# Altium PCB PCB1.PcbDoc (part 1 of 4) (continued)
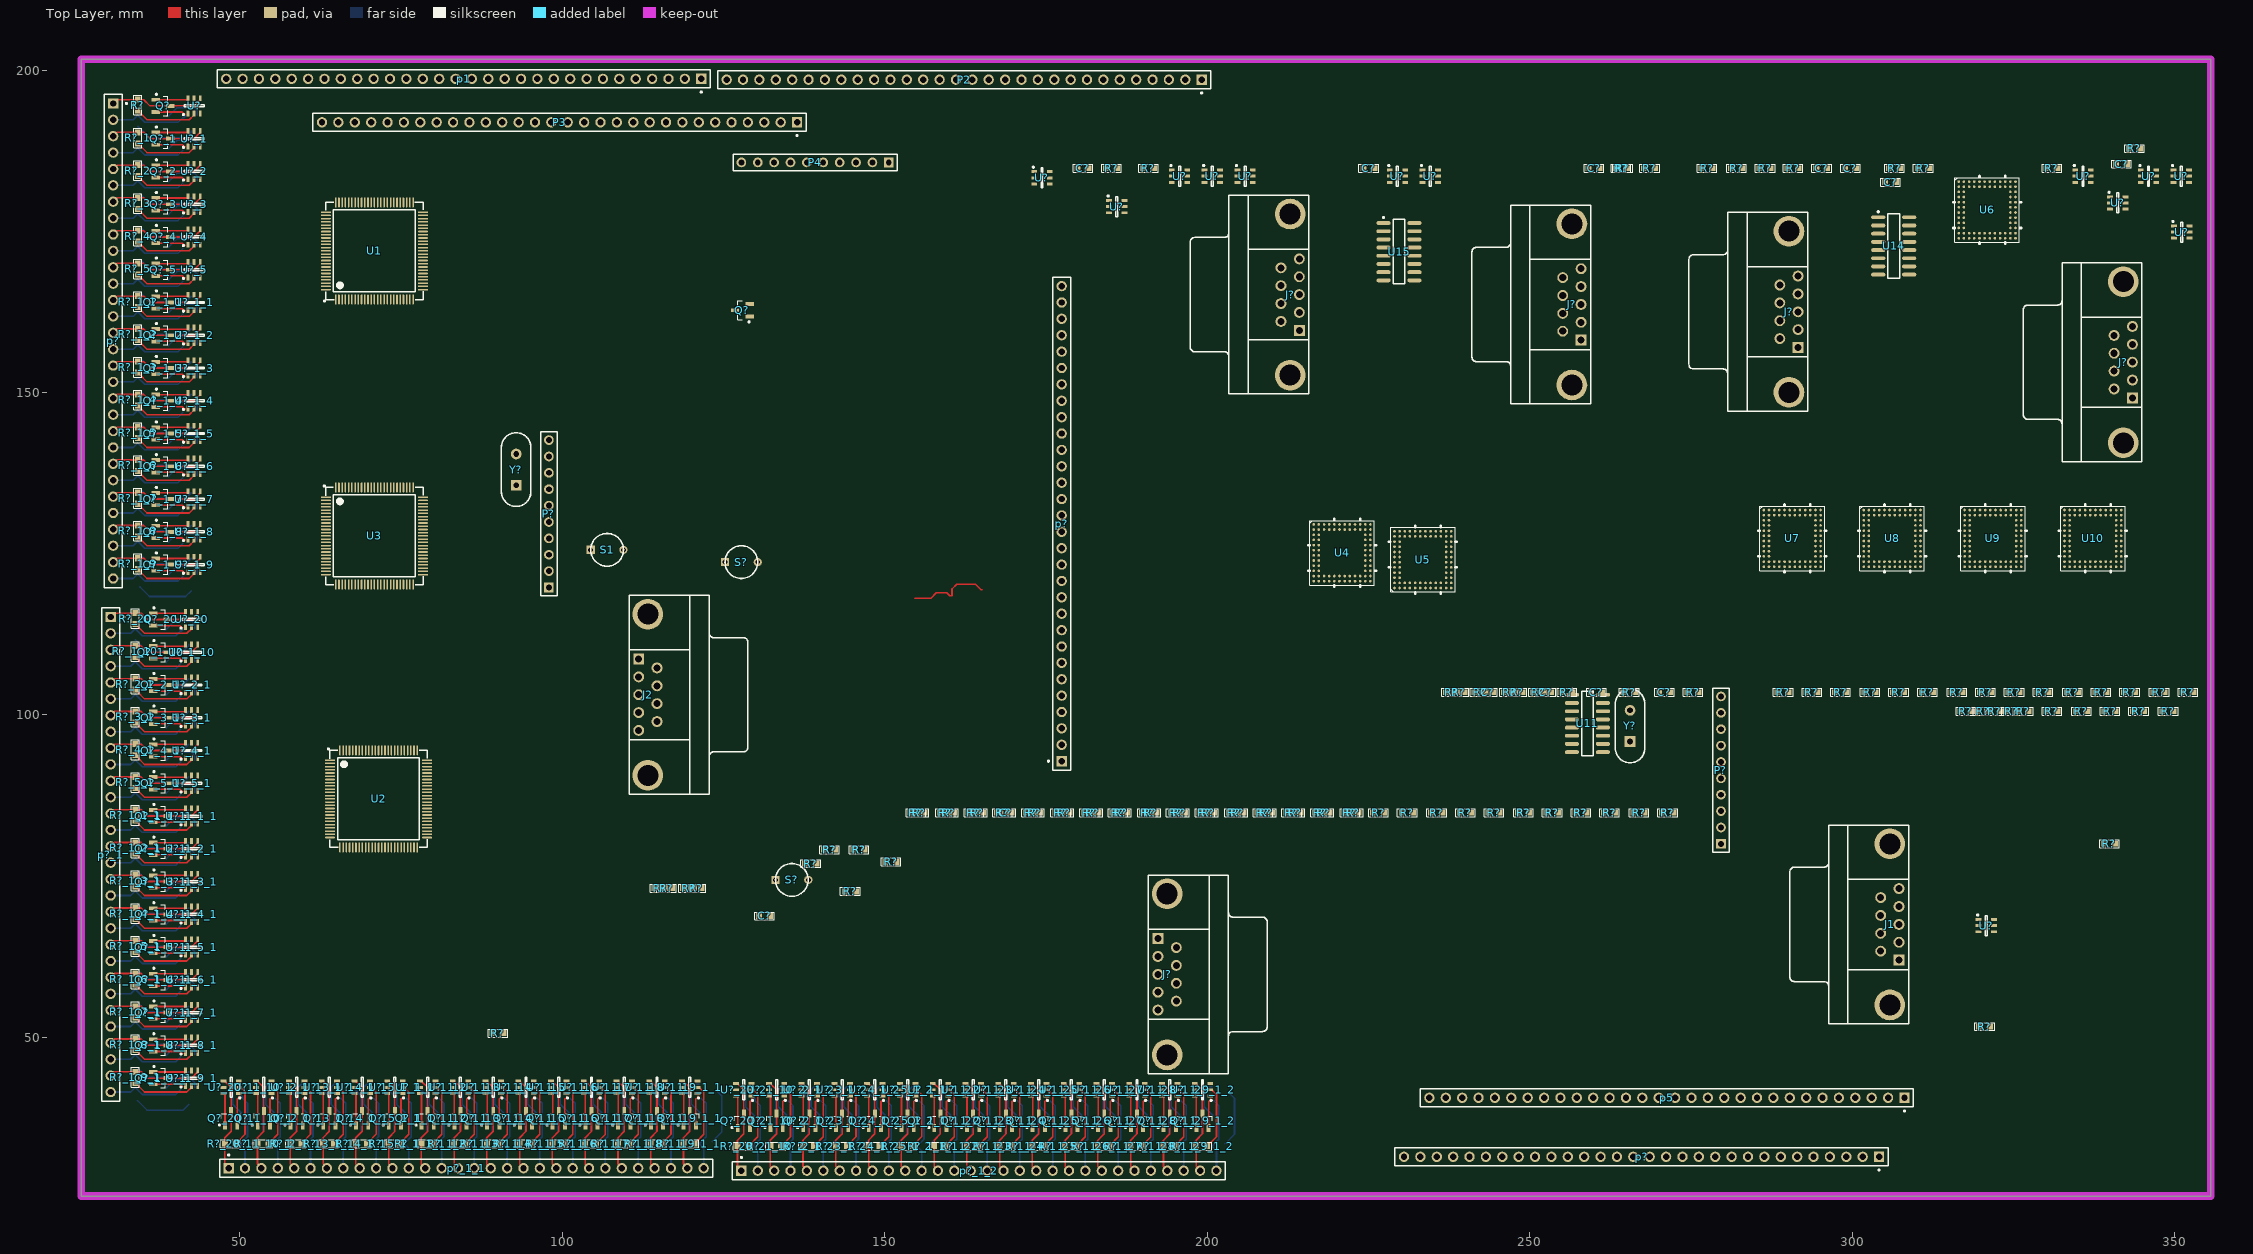
[diagram p0: Top Layer view]
## Components (designator, comment, footprint, x,y, rotation, side; value= is the part's Value field where it differs from the comment) (continued)
R? "10K" 0603 330.962,184.785 r0 top
R? "10K" 0603 307.213,103.505 r0 top
R? "10K" 0603 213.106,84.836 r180 top
R? "10K" 0603 195.199,84.836 r180 top
R? "10K" 0603 208.661,84.836 r180 top
R? "10K" 0603 320.675,103.505 r0 top
R? "10K" 0603 190.881,184.785 r0 top
R? "10K" 0603 289.306,103.505 r0 top
R? "10K" 0603 159.385,84.836 r180 top
R? "10K" 0603 293.751,103.505 r0 top
R? "10K" 0603 338.582,103.505 r0 top
R? "10K" 0603 348.996,100.584 r0 top
R? "10K" 0603 343.027,103.505 r0 top
R? "10K" 0603 275.336,103.505 r0 top
R? "10K" 0603 282.067,184.785 r0 top
R? "10K" 0603 251.333,103.505 r0 top
R? "10K" 0603 352.044,103.505 r0 top
R? "10K" 0603 253.492,84.836 r180 top
R? "10K" 0603 286.512,184.785 r0 top
R? "10K" 0603 246.888,103.505 r0 top
R? "10K" 0603 322.072,100.584 r0 top
R? "10K" 0603 306.578,184.785 r0 top
R? "10K" 0603 217.551,84.836 r180 top
R? "10K" 0603 271.399,84.836 r180 top
R? "10K" 0603 255.778,103.505 r0 top
R? "10K" 0603 257.937,84.836 r180 top
R? "10K" 0603 181.737,84.836 r180 top
R? "10K" 0603 231.013,84.836 r180 top
R? "10K" 0603 190.754,84.836 r180 top
R? "10K" 0603 235.585,84.836 r180 top
R? "10K" 0603 222.123,84.836 r180 top
R? "10K" 0603 186.182,84.836 r180 top
R? "10K" 0603 115.151,73.152 r0 top
R? "10K" 0603 116.167,73.152 r0 top
R? "10K" 0603 266.954,84.836 r180 top
R? "10K" 0603 120.739,73.152 r0 top
R? "10K" 0603 159.893,84.836 r180 top
R? "10K" 0603 262.382,84.836 r180 top
R? "10K" 0603 191.262,84.836 r180 top
R? "10K" 0603 257.937,84.836 r180 top
R? "10K" 0603 146.012,79.121 r0 top
R? "10K" 0603 186.69,84.836 r180 top
R? "10K" 0603 173.228,84.836 r180 top
R? "10K" 0603 141.44,79.121 r0 top
R? "10K" 0603 324.739,100.584 r0 top
R? "10K" 0603 222.631,84.836 r180 top
R? "10K" 0603 271.399,84.836 r180 top
R? "10K" 0603 164.338,84.836 r180 top
R? "10K" 0603 138.519,76.962 r0 top
R? "10K" 0603 155.321,84.836 r180 top
R? "10K" 0603 264.414,184.785 r0 top
R? "10K" 0603 344.424,100.584 r0 top
R? "10K" 0603 248.031,103.505 r0 top
R? "10K" 0603 290.83,184.785 r0 top
R? "10K" 0603 182.245,84.836 r180 top
R? "10K" 0603 249.047,84.836 r180 top
R? "10K" 0603 239.014,103.505 r0 top
R? "10K" 0603 320.294,100.584 r0 top
R? "10K" 0603 195.707,84.836 r180 top
R? "10K" 0603 213.614,84.836 r180 top
R? "10K" 0603 253.492,84.836 r180 top
R? "10K" 0603 218.059,84.836 r180 top
R? "10K" 0603 177.8,84.836 r180 top
R? "10K" 0603 343.751,187.833 r0 top
R? "10K" 0603 209.169,84.836 r180 top
R? "10K" 0603 265.43,103.505 r0 top
R? "10K" 0603 204.724,84.836 r180 top
R? "10K" 0603 185.166,184.785 r0 top
R? "10K" 0603 200.152,84.836 r180 top
R?_1 "10K" 0603 34.163,189.484 r90 top (schematic designator R?)
R?_1_1 "10K" 0603 34.163,164.084 r90 top (schematic designator R?)
R?_1_1_1 "10K" 0603 33.782,84.455 r90 top (schematic designator R?)
R?_1_1_1_1 "10K" 0603 78.994,33.528 r180 top (schematic designator R?)
R?_1_1_1_2 "10K" 0603 158.496,33.147 r180 top (schematic designator R?)
R?_1_2 "10K" 0603 34.163,159.004 r90 top (schematic designator R?)
R?_1_2_1 "10K" 0603 33.782,79.375 r90 top (schematic designator R?)
R?_1_2_1_1 "10K" 0603 84.074,33.528 r180 top (schematic designator R?)
R?_1_2_1_2 "10K" 0603 163.576,33.147 r180 top (schematic designator R?)
R?_1_3 "10K" 0603 34.163,153.924 r90 top (schematic designator R?)
R?_1_3_1 "10K" 0603 33.782,74.295 r90 top (schematic designator R?)
R?_1_3_1_1 "10K" 0603 89.154,33.528 r180 top (schematic designator R?)
R?_1_3_1_2 "10K" 0603 168.656,33.147 r180 top (schematic designator R?)
R?_1_4 "10K" 0603 34.163,148.844 r90 top (schematic designator R?)
R?_1_4_1 "10K" 0603 33.782,69.215 r90 top (schematic designator R?)
R?_1_4_1_1 "10K" 0603 94.234,33.528 r180 top (schematic designator R?)
R?_1_4_1_2 "10K" 0603 173.736,33.147 r180 top (schematic designator R?)
R?_1_5 "10K" 0603 34.163,143.764 r90 top (schematic designator R?)
R?_1_5_1 "10K" 0603 33.782,64.135 r90 top (schematic designator R?)
R?_1_5_1_1 "10K" 0603 99.314,33.528 r180 top (schematic designator R?)
R?_1_5_1_2 "10K" 0603 178.816,33.147 r180 top (schematic designator R?)
R?_1_6 "10K" 0603 34.163,138.684 r90 top (schematic designator R?)
R?_1_6_1 "10K" 0603 33.782,59.055 r90 top (schematic designator R?)
R?_1_6_1_1 "10K" 0603 104.394,33.528 r180 top (schematic designator R?)
R?_1_6_1_2 "10K" 0603 183.896,33.147 r180 top (schematic designator R?)
R?_1_7 "10K" 0603 34.163,133.604 r90 top (schematic designator R?)
R?_1_7_1 "10K" 0603 33.782,53.975 r90 top (schematic designator R?)
R?_1_7_1_1 "10K" 0603 109.474,33.528 r180 top (schematic designator R?)
R?_1_7_1_2 "10K" 0603 188.976,33.147 r180 top (schematic designator R?)
R?_1_8 "10K" 0603 34.163,128.524 r90 top (schematic designator R?)
R?_1_8_1 "10K" 0603 33.782,48.895 r90 top (schematic designator R?)
R?_1_8_1_1 "10K" 0603 114.554,33.528 r180 top (schematic designator R?)
R?_1_8_1_2 "10K" 0603 194.056,33.147 r180 top (schematic designator R?)
R?_1_9 "10K" 0603 34.163,123.444 r90 top (schematic designator R?)
R?_1_9_1 "10K" 0603 33.782,43.815 r90 top (schematic designator R?)
R?_1_9_1_1 "10K" 0603 119.634,33.528 r180 top (schematic designator R?)
R?_1_9_1_2 "10K" 0603 199.136,33.147 r180 top (schematic designator R?)
R?_1_10 "10K" 0603 33.782,109.855 r90 top (schematic designator R?)
R?_1_10_1 "10K" 0603 53.594,33.528 r180 top (schematic designator R?)
R?_1_10_2 "10K" 0603 133.096,33.147 r180 top (schematic designator R?)
R?_2 "10K" 0603 34.163,184.404 r90 top (schematic designator R?)
R?_2_1 "10K" 0603 33.782,104.775 r90 top (schematic designator R?)
R?_2_1_1 "10K" 0603 58.674,33.528 r180 top (schematic designator R?)
R?_2_1_2 "10K" 0603 138.176,33.147 r180 top (schematic designator R?)
R?_3 "10K" 0603 34.163,179.324 r90 top (schematic designator R?)
R?_3_1 "10K" 0603 33.782,99.695 r90 top (schematic designator R?)
R?_3_1_1 "10K" 0603 63.754,33.528 r180 top (schematic designator R?)
R?_3_1_2 "10K" 0603 143.256,33.147 r180 top (schematic designator R?)
R?_4 "10K" 0603 34.163,174.244 r90 top (schematic designator R?)
R?_4_1 "10K" 0603 33.782,94.615 r90 top (schematic designator R?)
R?_4_1_1 "10K" 0603 68.834,33.528 r180 top (schematic designator R?)
R?_4_1_2 "10K" 0603 148.336,33.147 r180 top (schematic designator R?)
R?_5 "10K" 0603 34.163,169.164 r90 top (schematic designator R?)
R?_5_1 "10K" 0603 33.782,89.535 r90 top (schematic designator R?)
R?_5_1_1 "10K" 0603 73.914,33.528 r180 top (schematic designator R?)
R?_5_1_2 "10K" 0603 153.416,33.147 r180 top (schematic designator R?)
R?_6 "10K" 0603 34.163,187.071 r90 bottom (schematic designator R?)
R?_6_1 "10K" 0603 33.782,107.442 r90 bottom (schematic designator R?)
R?_6_1_1 "10K" 0603 56.007,33.528 r180 bottom (schematic designator R?)
R?_6_1_2 "10K" 0603 135.509,33.147 r180 bottom (schematic designator R?)
R?_7 "10K" 0603 34.163,181.991 r90 bottom (schematic designator R?)
R?_7_1 "10K" 0603 33.782,102.362 r90 bottom (schematic designator R?)
R?_7_1_1 "10K" 0603 61.087,33.528 r180 bottom (schematic designator R?)
R?_7_1_2 "10K" 0603 140.589,33.147 r180 bottom (schematic designator R?)
R?_8 "10K" 0603 34.163,176.911 r90 bottom (schematic designator R?)
R?_8_1 "10K" 0603 33.782,97.282 r90 bottom (schematic designator R?)
R?_8_1_1 "10K" 0603 66.167,33.528 r180 bottom (schematic designator R?)
R?_8_1_2 "10K" 0603 145.669,33.147 r180 bottom (schematic designator R?)
R?_9 "10K" 0603 34.163,171.831 r90 bottom (schematic designator R?)
R?_9_1 "10K" 0603 33.782,92.202 r90 bottom (schematic designator R?)
R?_9_1_1 "10K" 0603 71.247,33.528 r180 bottom (schematic designator R?)
R?_9_1_2 "10K" 0603 150.749,33.147 r180 bottom (schematic designator R?)
R?_10 "10K" 0603 34.163,166.751 r90 bottom (schematic designator R?)
R?_10_1 "10K" 0603 33.782,87.122 r90 bottom (schematic designator R?)
R?_10_1_1 "10K" 0603 76.327,33.528 r180 bottom (schematic designator R?)
R?_10_1_2 "10K" 0603 155.829,33.147 r180 bottom (schematic designator R?)
R?_11 "10K" 0603 34.163,161.671 r90 bottom (schematic designator R?)
R?_11_1 "10K" 0603 33.782,82.042 r90 bottom (schematic designator R?)
R?_11_1_1 "10K" 0603 81.407,33.528 r180 bottom (schematic designator R?)
R?_11_1_2 "10K" 0603 160.909,33.147 r180 bottom (schematic designator R?)
R?_12 "10K" 0603 34.163,156.591 r90 bottom (schematic designator R?)
R?_12_1 "10K" 0603 33.782,76.962 r90 bottom (schematic designator R?)
R?_12_1_1 "10K" 0603 86.487,33.528 r180 bottom (schematic designator R?)
R?_12_1_2 "10K" 0603 165.989,33.147 r180 bottom (schematic designator R?)
R?_13 "10K" 0603 34.163,151.511 r90 bottom (schematic designator R?)
R?_13_1 "10K" 0603 33.782,71.882 r90 bottom (schematic designator R?)
R?_13_1_1 "10K" 0603 91.567,33.528 r180 bottom (schematic designator R?)
R?_13_1_2 "10K" 0603 171.069,33.147 r180 bottom (schematic designator R?)
R?_14 "10K" 0603 34.163,146.431 r90 bottom (schematic designator R?)
R?_14_1 "10K" 0603 33.782,66.802 r90 bottom (schematic designator R?)
R?_14_1_1 "10K" 0603 96.647,33.528 r180 bottom (schematic designator R?)
R?_14_1_2 "10K" 0603 176.149,33.147 r180 bottom (schematic designator R?)
R?_15 "10K" 0603 34.163,141.351 r90 bottom (schematic designator R?)
R?_15_1 "10K" 0603 33.782,61.722 r90 bottom (schematic designator R?)
R?_15_1_1 "10K" 0603 101.727,33.528 r180 bottom (schematic designator R?)
R?_15_1_2 "10K" 0603 181.229,33.147 r180 bottom (schematic designator R?)
R?_16 "10K" 0603 34.163,136.271 r90 bottom (schematic designator R?)
R?_16_1 "10K" 0603 33.782,56.642 r90 bottom (schematic designator R?)
R?_16_1_1 "10K" 0603 106.807,33.528 r180 bottom (schematic designator R?)
R?_16_1_2 "10K" 0603 186.309,33.147 r180 bottom (schematic designator R?)
R?_17 "10K" 0603 34.163,131.191 r90 bottom (schematic designator R?)
R?_17_1 "10K" 0603 33.782,51.562 r90 bottom (schematic designator R?)
R?_17_1_1 "10K" 0603 111.887,33.528 r180 bottom (schematic designator R?)
R?_17_1_2 "10K" 0603 191.389,33.147 r180 bottom (schematic designator R?)
R?_18 "10K" 0603 34.163,126.111 r90 bottom (schematic designator R?)
R?_18_1 "10K" 0603 33.782,46.482 r90 bottom (schematic designator R?)
R?_18_1_1 "10K" 0603 116.967,33.528 r180 bottom (schematic designator R?)
R?_18_1_2 "10K" 0603 196.469,33.147 r180 bottom (schematic designator R?)
R?_19 "10K" 0603 34.163,121.031 r90 bottom (schematic designator R?)
R?_19_1 "10K" 0603 33.782,41.402 r90 bottom (schematic designator R?)
R?_19_1_1 "10K" 0603 122.047,33.528 r180 bottom (schematic designator R?)
R?_19_1_2 "10K" 0603 201.549,33.147 r180 bottom (schematic designator R?)
R?_20 "10K" 0603 33.782,114.935 r90 top (schematic designator R?)
R?_20 "10K" 0603 33.782,112.522 r90 bottom (schematic designator R?)
R?_20_1 "10K" 0603 50.927,33.528 r180 bottom (schematic designator R?)
R?_20_1 "10K" 0603 48.514,33.528 r180 top (schematic designator R?)
R?_20_2 "10K" 0603 130.429,33.147 r180 bottom (schematic designator R?)
R?_20_2 "10K" 0603 128.016,33.147 r180 top (schematic designator R?)
S1 "SW-PB" "small Button" 106.934,125.603 r0 top
S? "SW-PB" "small Button" 127.762,123.698 r0 top
S? "SW-PB" "small Button" 135.598,74.422 r0 top
U1 "STM32F103V8T6" LQFP100_L 70.866,171.958 r90 top
U2 "STM32F103V8T6" LQFP100_L 71.501,86.995 r0 top
U3 "STM32F103V8T6" LQFP100_L 70.866,127.762 r0 top
U4 "AD5590BBCZ" BGA80C80P12X12_1000X1000X150 220.904,125.146 r0 top
U5 "AD5590BBCZ" BGA80C80P12X12_1000X1000X150 233.426,124.079 r90 top
U6 "AD5590BBCZ" BGA80C80P12X12_1000X1000X150 320.929,178.308 r0 top
U7 "AD5590BBCZ" BGA80C80P12X12_1000X1000X150 290.703,127.381 r0 top
U8 "AD5590BBCZ" BGA80C80P12X12_1000X1000X150 306.197,127.381 r0 top
U9 "AD5590BBCZ" BGA80C80P12X12_1000X1000X150 321.818,127.381 r0 top
U10 "AD5590BBCZ" BGA80C80P12X12_1000X1000X150 337.312,127.381 r0 top
U11 "MAX232" SO16 258.953,98.679 r0 top
U14 "MAX232" SO16 306.438,172.72 r0 top
U15 "MAX232" SO16 229.73,171.831 r0 top
U? "ADP3330" SOT457 320.802,67.31 r0 top
U? "ADP3330" SOT457 42.926,194.437 r90 top
U? "ADP3330" SOT457 42.418,191.77 r90 bottom
U? "ADP3330" SOT457 229.489,183.515 r0 top
U? "ADP3330" SOT457 345.948,183.515 r0 top
U? "ADP3330" SOT457 185.985,178.791 r0 top
U? "ADP3330" SOT457 195.707,183.515 r0 top
U? "ADP3330" SOT457 341.179,179.365 r0 top
U? "ADP3330" SOT457 351.028,183.515 r0 top
U? "ADP3330" SOT457 174.371,183.261 r0 top
U? "ADP3330" SOT457 200.787,183.515 r0 top
U? "ADP3330" SOT457 234.569,183.515 r0 top
U? "ADP3330" SOT457 205.867,183.515 r0 top
U? "ADP3330" SOT457 335.788,183.515 r0 top
U? "ADP3330" SOT457 351.085,174.854 r0 top
U?_1 "ADP3330" SOT457 42.926,189.357 r90 top (schematic designator U?)
U?_1_1 "ADP3330" SOT457 42.926,163.957 r90 top (schematic designator U?)
U?_1_1_1 "ADP3330" SOT457 42.545,84.328 r90 top (schematic designator U?)
U?_1_1_1_1 "ADP3330" SOT457 79.121,42.291 r180 top (schematic designator U?)
U?_1_1_1_2 "ADP3330" SOT457 158.623,41.91 r180 top (schematic designator U?)
U?_1_2 "ADP3330" SOT457 42.926,158.877 r90 top (schematic designator U?)
U?_1_2_1 "ADP3330" SOT457 42.545,79.248 r90 top (schematic designator U?)
U?_1_2_1_1 "ADP3330" SOT457 84.201,42.291 r180 top (schematic designator U?)
U?_1_2_1_2 "ADP3330" SOT457 163.703,41.91 r180 top (schematic designator U?)
U?_1_3 "ADP3330" SOT457 42.926,153.797 r90 top (schematic designator U?)
U?_1_3_1 "ADP3330" SOT457 42.545,74.168 r90 top (schematic designator U?)
U?_1_3_1_1 "ADP3330" SOT457 89.281,42.291 r180 top (schematic designator U?)
U?_1_3_1_2 "ADP3330" SOT457 168.783,41.91 r180 top (schematic designator U?)
U?_1_4 "ADP3330" SOT457 42.926,148.717 r90 top (schematic designator U?)
U?_1_4_1 "ADP3330" SOT457 42.545,69.088 r90 top (schematic designator U?)
U?_1_4_1_1 "ADP3330" SOT457 94.361,42.291 r180 top (schematic designator U?)
U?_1_4_1_2 "ADP3330" SOT457 173.863,41.91 r180 top (schematic designator U?)
U?_1_5 "ADP3330" SOT457 42.926,143.637 r90 top (schematic designator U?)
U?_1_5_1 "ADP3330" SOT457 42.545,64.008 r90 top (schematic designator U?)
U?_1_5_1_1 "ADP3330" SOT457 99.441,42.291 r180 top (schematic designator U?)
U?_1_5_1_2 "ADP3330" SOT457 178.943,41.91 r180 top (schematic designator U?)
U?_1_6 "ADP3330" SOT457 42.926,138.557 r90 top (schematic designator U?)
U?_1_6_1 "ADP3330" SOT457 42.545,58.928 r90 top (schematic designator U?)
U?_1_6_1_1 "ADP3330" SOT457 104.521,42.291 r180 top (schematic designator U?)
U?_1_6_1_2 "ADP3330" SOT457 184.023,41.91 r180 top (schematic designator U?)
U?_1_7 "ADP3330" SOT457 42.926,133.477 r90 top (schematic designator U?)
U?_1_7_1 "ADP3330" SOT457 42.545,53.848 r90 top (schematic designator U?)
U?_1_7_1_1 "ADP3330" SOT457 109.601,42.291 r180 top (schematic designator U?)
U?_1_7_1_2 "ADP3330" SOT457 189.103,41.91 r180 top (schematic designator U?)
U?_1_8 "ADP3330" SOT457 42.926,128.397 r90 top (schematic designator U?)
U?_1_8_1 "ADP3330" SOT457 42.545,48.768 r90 top (schematic designator U?)
U?_1_8_1_1 "ADP3330" SOT457 114.681,42.291 r180 top (schematic designator U?)
U?_1_8_1_2 "ADP3330" SOT457 194.183,41.91 r180 top (schematic designator U?)
U?_1_9 "ADP3330" SOT457 42.926,123.317 r90 top (schematic designator U?)
U?_1_9_1 "ADP3330" SOT457 42.545,43.688 r90 top (schematic designator U?)
U?_1_9_1_1 "ADP3330" SOT457 119.761,42.291 r180 top (schematic designator U?)
U?_1_9_1_2 "ADP3330" SOT457 199.263,41.91 r180 top (schematic designator U?)
U?_1_10 "ADP3330" SOT457 42.545,109.728 r90 top (schematic designator U?)
U?_1_10_1 "ADP3330" SOT457 53.721,42.291 r180 top (schematic designator U?)
U?_1_10_2 "ADP3330" SOT457 133.223,41.91 r180 top (schematic designator U?)
U?_2 "ADP3330" SOT457 42.926,184.277 r90 top (schematic designator U?)
U?_2_1 "ADP3330" SOT457 42.545,104.648 r90 top (schematic designator U?)
U?_2_1_1 "ADP3330" SOT457 58.801,42.291 r180 top (schematic designator U?)
U?_2_1_2 "ADP3330" SOT457 138.303,41.91 r180 top (schematic designator U?)
U?_3 "ADP3330" SOT457 42.926,179.197 r90 top (schematic designator U?)
U?_3_1 "ADP3330" SOT457 42.545,99.568 r90 top (schematic designator U?)
U?_3_1_1 "ADP3330" SOT457 63.881,42.291 r180 top (schematic designator U?)
U?_3_1_2 "ADP3330" SOT457 143.383,41.91 r180 top (schematic designator U?)
U?_4 "ADP3330" SOT457 42.926,174.117 r90 top (schematic designator U?)
U?_4_1 "ADP3330" SOT457 42.545,94.488 r90 top (schematic designator U?)
U?_4_1_1 "ADP3330" SOT457 68.961,42.291 r180 top (schematic designator U?)
U?_4_1_2 "ADP3330" SOT457 148.463,41.91 r180 top (schematic designator U?)
U?_5 "ADP3330" SOT457 42.926,169.037 r90 top (schematic designator U?)
U?_5_1 "ADP3330" SOT457 42.545,89.408 r90 top (schematic designator U?)
U?_5_1_1 "ADP3330" SOT457 74.041,42.291 r180 top (schematic designator U?)
U?_5_1_2 "ADP3330" SOT457 153.543,41.91 r180 top (schematic designator U?)
U?_6 "ADP3330" SOT457 42.418,186.69 r90 bottom (schematic designator U?)
U?_6_1 "ADP3330" SOT457 42.037,107.061 r90 bottom (schematic designator U?)
U?_6_1_1 "ADP3330" SOT457 56.388,41.783 r180 bottom (schematic designator U?)
U?_6_1_2 "ADP3330" SOT457 135.89,41.402 r180 bottom (schematic designator U?)
U?_7 "ADP3330" SOT457 42.418,181.61 r90 bottom (schematic designator U?)
U?_7_1 "ADP3330" SOT457 42.037,101.981 r90 bottom (schematic designator U?)
U?_7_1_1 "ADP3330" SOT457 61.468,41.783 r180 bottom (schematic designator U?)
U?_7_1_2 "ADP3330" SOT457 140.97,41.402 r180 bottom (schematic designator U?)
U?_8 "ADP3330" SOT457 42.418,176.53 r90 bottom (schematic designator U?)
U?_8_1 "ADP3330" SOT457 42.037,96.901 r90 bottom (schematic designator U?)
U?_8_1_1 "ADP3330" SOT457 66.548,41.783 r180 bottom (schematic designator U?)
U?_8_1_2 "ADP3330" SOT457 146.05,41.402 r180 bottom (schematic designator U?)
U?_9 "ADP3330" SOT457 42.418,171.45 r90 bottom (schematic designator U?)
U?_9_1 "ADP3330" SOT457 42.037,91.821 r90 bottom (schematic designator U?)
U?_9_1_1 "ADP3330" SOT457 71.628,41.783 r180 bottom (schematic designator U?)
U?_9_1_2 "ADP3330" SOT457 151.13,41.402 r180 bottom (schematic designator U?)
U?_10 "ADP3330" SOT457 42.418,166.37 r90 bottom (schematic designator U?)
U?_10_1 "ADP3330" SOT457 42.037,86.741 r90 bottom (schematic designator U?)
U?_10_1_1 "ADP3330" SOT457 76.708,41.783 r180 bottom (schematic designator U?)
U?_10_1_2 "ADP3330" SOT457 156.21,41.402 r180 bottom (schematic designator U?)
U?_11 "ADP3330" SOT457 42.418,161.29 r90 bottom (schematic designator U?)
U?_11_1 "ADP3330" SOT457 42.037,81.661 r90 bottom (schematic designator U?)
U?_11_1_1 "ADP3330" SOT457 81.788,41.783 r180 bottom (schematic designator U?)
U?_11_1_2 "ADP3330" SOT457 161.29,41.402 r180 bottom (schematic designator U?)
U?_12 "ADP3330" SOT457 42.418,156.21 r90 bottom (schematic designator U?)
U?_12_1 "ADP3330" SOT457 42.037,76.581 r90 bottom (schematic designator U?)
U?_12_1_1 "ADP3330" SOT457 86.868,41.783 r180 bottom (schematic designator U?)
U?_12_1_2 "ADP3330" SOT457 166.37,41.402 r180 bottom (schematic designator U?)
U?_13 "ADP3330" SOT457 42.418,151.13 r90 bottom (schematic designator U?)
U?_13_1 "ADP3330" SOT457 42.037,71.501 r90 bottom (schematic designator U?)
U?_13_1_1 "ADP3330" SOT457 91.948,41.783 r180 bottom (schematic designator U?)
U?_13_1_2 "ADP3330" SOT457 171.45,41.402 r180 bottom (schematic designator U?)
U?_14 "ADP3330" SOT457 42.418,146.05 r90 bottom (schematic designator U?)
U?_14_1 "ADP3330" SOT457 42.037,66.421 r90 bottom (schematic designator U?)
U?_14_1_1 "ADP3330" SOT457 97.028,41.783 r180 bottom (schematic designator U?)
U?_14_1_2 "ADP3330" SOT457 176.53,41.402 r180 bottom (schematic designator U?)
U?_15 "ADP3330" SOT457 42.418,140.97 r90 bottom (schematic designator U?)
U?_15_1 "ADP3330" SOT457 42.037,61.341 r90 bottom (schematic designator U?)
U?_15_1_1 "ADP3330" SOT457 102.108,41.783 r180 bottom (schematic designator U?)
U?_15_1_2 "ADP3330" SOT457 181.61,41.402 r180 bottom (schematic designator U?)
U?_16 "ADP3330" SOT457 42.418,135.89 r90 bottom (schematic designator U?)
U?_16_1 "ADP3330" SOT457 42.037,56.261 r90 bottom (schematic designator U?)
U?_16_1_1 "ADP3330" SOT457 107.188,41.783 r180 bottom (schematic designator U?)
U?_16_1_2 "ADP3330" SOT457 186.69,41.402 r180 bottom (schematic designator U?)
U?_17 "ADP3330" SOT457 42.418,130.81 r90 bottom (schematic designator U?)
U?_17_1 "ADP3330" SOT457 42.037,51.181 r90 bottom (schematic designator U?)
U?_17_1_1 "ADP3330" SOT457 112.268,41.783 r180 bottom (schematic designator U?)
U?_17_1_2 "ADP3330" SOT457 191.77,41.402 r180 bottom (schematic designator U?)
U?_18 "ADP3330" SOT457 42.418,125.73 r90 bottom (schematic designator U?)
U?_18_1 "ADP3330" SOT457 42.037,46.101 r90 bottom (schematic designator U?)
U?_18_1_1 "ADP3330" SOT457 117.348,41.783 r180 bottom (schematic designator U?)
U?_18_1_2 "ADP3330" SOT457 196.85,41.402 r180 bottom (schematic designator U?)
U?_19 "ADP3330" SOT457 42.418,120.65 r90 bottom (schematic designator U?)
U?_19_1 "ADP3330" SOT457 42.037,41.021 r90 bottom (schematic designator U?)
U?_19_1_1 "ADP3330" SOT457 122.428,41.783 r180 bottom (schematic designator U?)
U?_19_1_2 "ADP3330" SOT457 201.93,41.402 r180 bottom (schematic designator U?)
U?_20 "ADP3330" SOT457 42.037,112.141 r90 bottom (schematic designator U?)
U?_20 "ADP3330" SOT457 42.545,114.808 r90 top (schematic designator U?)
U?_20_1 "ADP3330" SOT457 48.641,42.291 r180 top (schematic designator U?)
U?_20_1 "ADP3330" SOT457 51.308,41.783 r180 bottom (schematic designator U?)
U?_20_2 "ADP3330" SOT457 128.143,41.91 r180 top (schematic designator U?)
U?_20_2 "ADP3330" SOT457 130.81,41.402 r180 bottom (schematic designator U?)
Y? "16Mhz" Crystal 265.557,98.298 r90 top
Y? "16Mhz" Crystal 92.837,138.049 r90 top

## Footprints (in the part's own frame and the unit in brackets; to place one, negate y for a bottom-side part, rotate by r counter-clockwise, add the part's x,y. Pads: shape width x height; smd on the part's side, far side on the other; paste and mask are expansions set on the pad)
0603 [mil]
  rect 37x35 smd: 1(-33.5,0) 2(33.5,0)
  silkscreen extent -60,-24 60,24, body extent -31,-16 31,16, height 12
0603-Cap [mil]
  rect 37x35 smd: 1(-33.5,0) 2(33.5,0)
  silkscreen extent -60,-24 60,24, body extent -31,-16 31,16, height 31
BGA80C80P12X12_1000X1000X150 [mil]
  round 16 smd: A1(-173,173) A2(-142,173) A3(-110,173) A4(-79,173) A5(-47,173) A6(-16,173) A7(16,173) A8(47,173) A9(79,173) A10(110,173) A11(142,173) A12(173,173) B1(-173,142) B2(-142,142) B3(-110,142) B4(-79,142) B5(-47,142) B6(-16,142) B7(16,142) B8(47,142) B9(79,142) B10(110,142) B11(142,142) B12(173,142) C1(-173,110) C2(-142,110) C11(142,110) C12(173,110) D1(-173,79) D2(-142,79) D11(142,79) D12(173,79) E1(-173,47) E2(-142,47) E11(142,47) E12(173,47) F1(-173,16) F2(-142,16) F11(142,16) F12(173,16) G1(-173,-16) G2(-142,-16) G11(142,-16) G12(173,-16) H1(-173,-47) H2(-142,-47) H11(142,-47) H12(173,-47) J1(-173,-79) J2(-142,-79) J11(142,-79) J12(173,-79) K1(-173,-110) K2(-142,-110) K11(142,-110) K12(173,-110) L1(-173,-142) L2(-142,-142) L3(-110,-142) L4(-79,-142) L5(-47,-142) L6(-16,-142) L7(16,-142) L8(47,-142) L9(79,-142) L10(110,-142) L11(142,-142) L12(173,-142) M1(-173,-173) M2(-142,-173) M3(-110,-173) M4(-79,-173) M5(-47,-173) M6(-16,-173) M7(16,-173) M8(47,-173) M9(79,-173) M10(110,-173) M11(142,-173) M12(173,-173)
  silkscreen extent -207,-207 207,207
Crystal [mil] "16 Mhz Crystal footprint"
  rect 65x65 hole 35: 1(-95,0)
  round 65 hole 35: 2(95,0)
  silkscreen extent -225,-90 225,90, body extent -220,-89 220,95, height 143
DSUB1.385-2H9 [mm] "Connector; D Subminiature; 9 Position; Right Angle; Pitch 1.385 mm"
  rect 1.69x1.69 hole 1.09: 1(-5.54,-10.92)
  round 1.69 hole 1.09: 2(-2.77,-10.92) 3(0,-10.92) 4(2.77,-10.92) 5(5.54,-10.92) 6(-4.155,-8.08) 7(-1.385,-8.08) 8(1.385,-8.08) 9(4.155,-8.08)
  round 4.76 hole 3.26: 10(-12.495,-9.5) 11(12.495,-9.5)
  silkscreen extent -15.4,-12.4 15.4,6
HDR1X10 [mm] "Connector; Header; 10 Position"
  rect 1.5x1.5 hole 0.9: 1(0,0)
  round 1.5 hole 0.9: 2(2.54,0) 3(5.08,0) 4(7.62,0) 5(10.16,0) 6(12.7,0) 7(15.24,0) 8(17.78,0) 9(20.32,0) 10(22.86,0)
  silkscreen extent -1.27,-1.27 24.13,1.27
HDR1X30 [mm] "Connector; Header; 30 Position"
  rect 1.6x1.6 hole 0.99: 1(0,0)
  round 1.6 hole 0.99: 2(2.54,0) 3(5.08,0) 4(7.62,0) 5(10.16,0) 6(12.7,0) 7(15.24,0) 8(17.78,0) 9(20.32,0) 10(22.86,0) 11(25.4,0) 12(27.94,0) 13(30.48,0) 14(33.02,0) 15(35.56,0) 16(38.1,0) 17(40.64,0) 18(43.18,0) 19(45.72,0) 20(48.26,0) 21(50.8,0) 22(53.34,0) 23(55.88,0) 24(58.42,0) 25(60.96,0) 26(63.5,0) 27(66.04,0) 28(68.58,0) 29(71.12,0) 30(73.66,0)
  silkscreen extent -1.4,-1.4 75.06,2.17
LQFP100_L [mm] "Thin QFP, 100-Leads, Body 14x14mm, Pitch 0.5mm, IPC High Density"
  oval 1.55x0.25 smd: 1(-7.525,6) 2(-7.525,5.5) 3(-7.525,5) 4(-7.525,4.5) 5(-7.525,4) 6(-7.525,3.5) 7(-7.525,3) 8(-7.525,2.5) 9(-7.525,2) 10(-7.525,1.5) 11(-7.525,1) 12(-7.525,0.5) 13(-7.525,0) 14(-7.525,-0.5) 15(-7.525,-1) 16(-7.525,-1.5) 17(-7.525,-2) 18(-7.525,-2.5) 19(-7.525,-3) 20(-7.525,-3.5) 21(-7.525,-4) 22(-7.525,-4.5) 23(-7.525,-5) 24(-7.525,-5.5) 25(-7.525,-6) 51(7.525,-6) 52(7.525,-5.5) 53(7.525,-5) 54(7.525,-4.5) 55(7.525,-4) 56(7.525,-3.5) 57(7.525,-3) 58(7.525,-2.5) 59(7.525,-2) 60(7.525,-1.5) 61(7.525,-1) 62(7.525,-0.5) 63(7.525,0) 64(7.525,0.5) 65(7.525,1) 66(7.525,1.5) 67(7.525,2) 68(7.525,2.5) 69(7.525,3) 70(7.525,3.5) 71(7.525,4) 72(7.525,4.5) 73(7.525,5) 74(7.525,5.5) 75(7.525,6)
  oval 0.25x1.55 smd: 26(-6,-7.525) 27(-5.5,-7.525) 28(-5,-7.525) 29(-4.5,-7.525) 30(-4,-7.525) 31(-3.5,-7.525) 32(-3,-7.525) 33(-2.5,-7.525) 34(-2,-7.525) 35(-1.5,-7.525) 36(-1,-7.525) 37(-0.5,-7.525) 38(0,-7.525) 39(0.5,-7.525) 40(1,-7.525) 41(1.5,-7.525) 42(2,-7.525) 43(2.5,-7.525) 44(3,-7.525) 45(3.5,-7.525) 46(4,-7.525) 47(4.5,-7.525) 48(5,-7.525) 49(5.5,-7.525) 50(6,-7.525) 76(6,7.525) 77(5.5,7.525) 78(5,7.525) 79(4.5,7.525) 80(4,7.525) 81(3.5,7.525) 82(3,7.525) 83(2.5,7.525) 84(2,7.525) 85(1.5,7.525) 86(1,7.525) 87(0.5,7.525) 88(0,7.525) 89(-0.5,7.525) 90(-1,7.525) 91(-1.5,7.525) 92(-2,7.525) 93(-2.5,7.525) 94(-3,7.525) 95(-3.5,7.525) 96(-4,7.525) 97(-4.5,7.525) 98(-5,7.525) 99(-5.5,7.525) 100(-6,7.525)
  silkscreen extent -7.9,-7.54 7.57,7.87, body extent -7,-7 7,7, height 1.6
"small Button" [mil]
  rect 50x50 hole 30: 1(-100,0)
  round 50 hole 30: 2(100,0)
  silkscreen extent -100,-100 100,100, body extent -118,-118 118,126, height 197
SO16 [mm] "SOIC, 16-Leads, Body 9.9x3.9mm, Pitch 1.27mm, IPC Medium Density"
  oval 2.2x0.6 smd: 1(-2.4,4.445) 2(-2.4,3.175) 3(-2.4,1.905) 4(-2.4,0.635) 5(-2.4,-0.635) 6(-2.4,-1.905) 7(-2.4,-3.175) 8(-2.4,-4.445) 9(2.4,-4.445) 10(2.4,-3.175) 11(2.4,-1.905) 12(2.4,-0.635) 13(2.4,0.635) 14(2.4,1.905) 15(2.4,3.175) 16(2.4,4.445)
  silkscreen extent -2.52,-5 0.9,5.42, body extent -3.1,-5.08 3.1,5.08, height 1.73
SOT23 [mm]
  rect 1.3x0.6 smd: 1(-1.126,0.95) 2(-1.126,-0.95) 3(1.126,0)
  silkscreen extent -1.18,-1.5 0.7,1.92, body extent -1.57,-1.5 1.57,1.5, height 1
SOT457 [mm]
  rect 0.9x0.45 smd: 1(-1.2,0.975) 2(-1.2,0.025) 3(-1.2,-0.925) 4(1.2,-0.925) 5(1.2,0.025) 6(1.2,0.975)
  silkscreen extent -1.47,-1.52 0.15,1.8, body extent -0.9,-1.52 0.9,1.58, height 1.45